# Altium PCB 10515.0500_Display_System（6拼版）_V1.0_20200907.PcbDoc (part 13 of 13)
Units mm, origin at the board's own origin, x right, y up, seen from the top; angles counter-clockwise.
Board outline 157 x 228.4 mm, 4 copper layers (Top Layer, Mid-Layer 1, Mid-Layer 2, Bottom Layer); 516 components, 0 nets, 1971 pads, 894 vias.
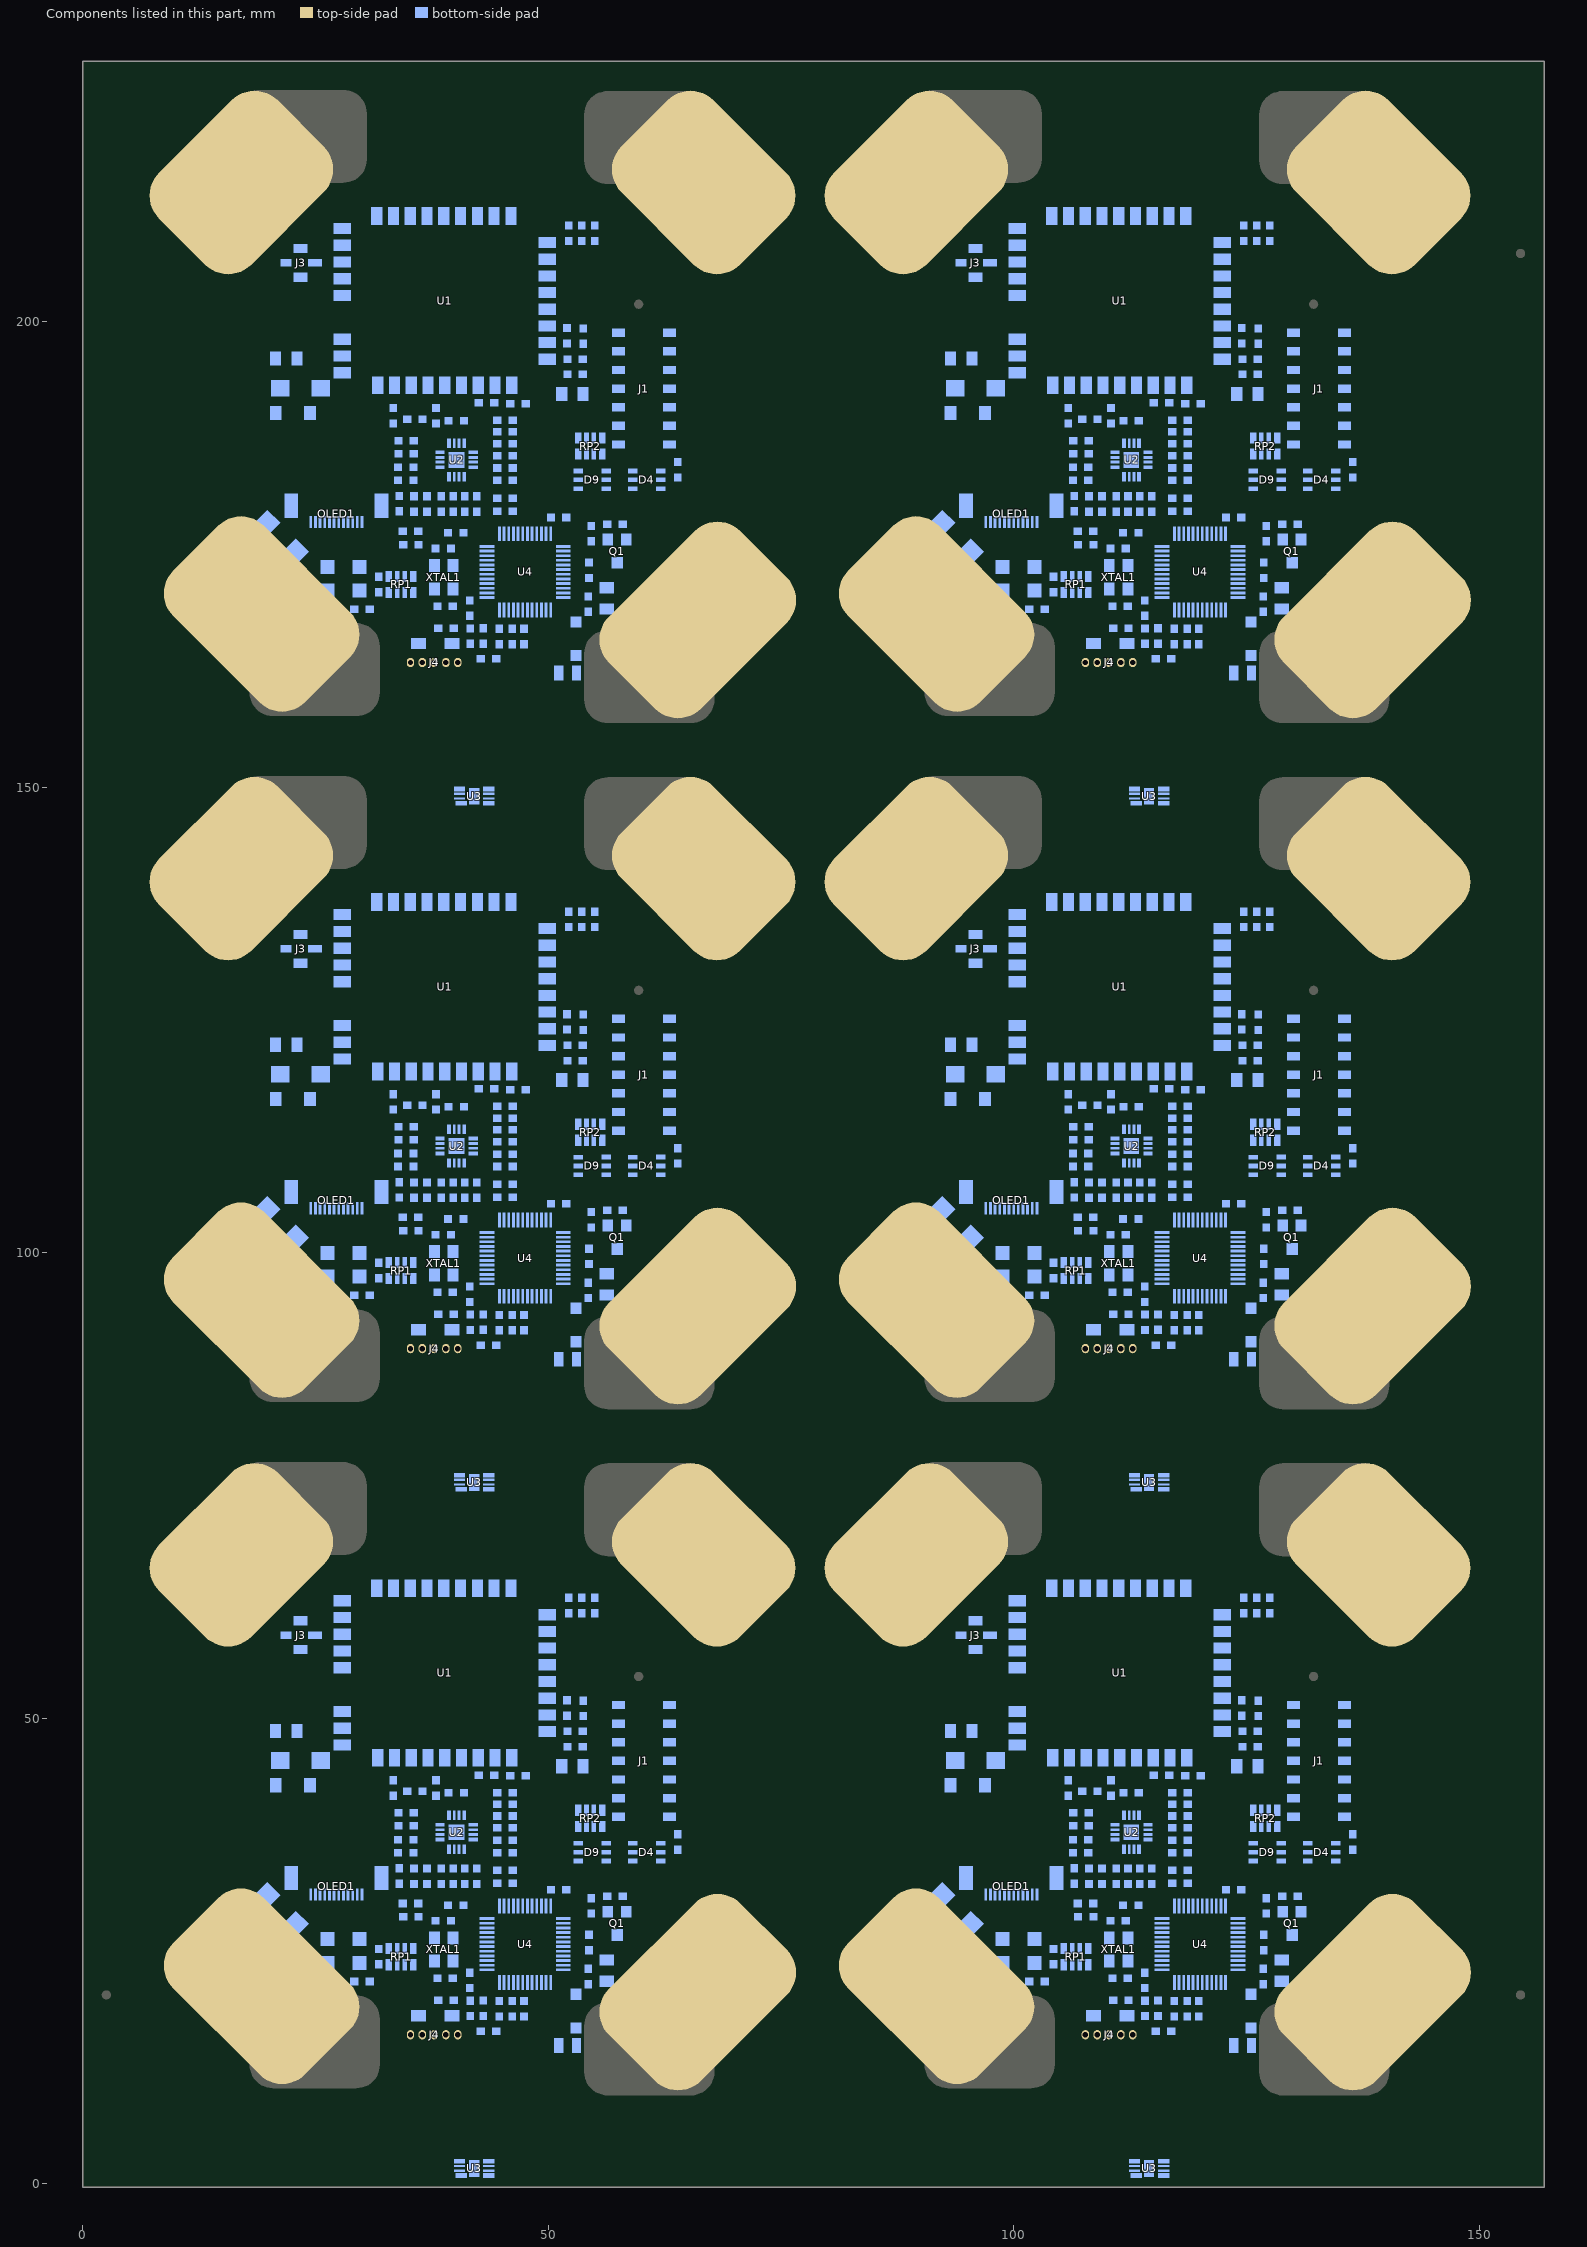
[diagram p15: the components of this part, seen from the top]

## Other copper
Mid-Layer 1:
  pour cut-out: 49.312,189.945 53.249,189.945 54.9,188.294 54.9,177.245 55.408,176.737 55.408,172.292 55.027,171.911 51.979,171.911 51.725,172.165 51.725,179.888 51.193,180.42 48.296,180.42 48.169,180.547 48.169,188.802
  pour cut-out: 49.312,116.245 53.249,116.245 54.9,114.594 54.9,103.545 55.408,103.037 55.408,98.592 55.027,98.211 51.979,98.211 51.725,98.465 51.725,106.188 51.193,106.72 48.296,106.72 48.169,106.847 48.169,115.102
  pour cut-out: 49.312,42.545 53.249,42.545 54.9,40.894 54.9,29.845 55.408,29.337 55.408,24.892 55.027,24.511 51.979,24.511 51.725,24.765 51.725,32.488 51.193,33.02 48.296,33.02 48.169,33.147 48.169,41.402
  pour cut-out: 121.812,189.945 125.749,189.945 127.4,188.294 127.4,177.245 127.908,176.737 127.908,172.292 127.527,171.911 124.479,171.911 124.225,172.165 124.225,179.888 123.693,180.42 120.796,180.42 120.669,180.547 120.669,188.802
  pour cut-out: 121.812,116.245 125.749,116.245 127.4,114.594 127.4,103.545 127.908,103.037 127.908,98.592 127.527,98.211 124.479,98.211 124.225,98.465 124.225,106.188 123.693,106.72 120.796,106.72 120.669,106.847 120.669,115.102
  pour cut-out: 121.812,42.545 125.749,42.545 127.4,40.894 127.4,29.845 127.908,29.337 127.908,24.892 127.527,24.511 124.479,24.511 124.225,24.765 124.225,32.488 123.693,33.02 120.796,33.02 120.669,33.147 120.669,41.402

## Silkscreen, mask and mechanical layers (free items; w line width, h text height)
Top Overlay:
  lines w0.127: 7.142,68.425 7.142,55.061 16.8,55.061 ; 7.142,142.125 7.142,128.761 16.8,128.761 ; 7.142,215.825 7.142,202.461 16.8,202.461 ; 7.2,68.463 7.2,55.099 18.5,55.099 18.5,58.832 ; 7.2,142.163 7.2,128.799 18.5,128.799 18.5,132.532 ; 7.2,215.863 7.2,202.499 18.5,202.499 18.5,206.232 ; 15.276,65.786 16.292,65.786 ; 15.276,139.486 16.292,139.486 ; 15.276,213.186 16.292,213.186 ; 31.492,68.111 31.492,79.411 ; 31.492,141.811 31.492,153.111 ; 31.492,215.511 31.492,226.811 ; 52.95,68.149 56.684,68.149 66,58.832 ; 52.95,141.849 56.684,141.849 66,132.532 ; 52.95,215.549 56.684,215.549 66,206.232 ; 79.642,68.425 79.642,55.061 89.3,55.061 ; 79.642,142.125 79.642,128.761 89.3,128.761 ; 79.642,215.825 79.642,202.461 89.3,202.461 ; 79.7,68.463 79.7,55.099 91,55.099 91,58.832 ; 79.7,142.163 79.7,128.799 91,128.799 91,132.532 ; 79.7,215.863 79.7,202.499 91,202.499 91,206.232 ; 87.776,65.786 88.792,65.786 ; 87.776,139.486 88.792,139.486 ; 87.776,213.186 88.792,213.186 ; 103.992,68.111 103.992,79.411 ; 103.992,141.811 103.992,153.111 ; 103.992,215.511 103.992,226.811 ; 125.45,68.149 129.184,68.149 138.5,58.832 ; 125.45,141.849 129.184,141.849 138.5,132.532 ; 125.45,215.549 129.184,215.549 138.5,206.232
Bottom Overlay:
  circle w0.127: c40.422,147.527 r0.127
  circle w0.127: c40.422,73.827 r0.127
  circle w0.127: c40.422,0.127 r0.127
  circle w0.127: c112.922,147.527 r0.127
  circle w0.127: c112.922,73.827 r0.127
  circle w0.127: c112.922,0.127 r0.127
  rectangle: 30.389,195.025 47.28,208.487
  rectangle: 30.389,121.325 47.28,134.787
  rectangle: 30.389,47.625 47.28,61.087
  rectangle: 102.889,195.025 119.78,208.487
  rectangle: 102.889,121.325 119.78,134.787
  rectangle: 102.889,47.625 119.78,61.087
  text "10515.0500_显示板V1.0" at 30.643,158.322 h1.5
  text "10515.0500_显示板V1.0" at 103.143,158.322 h1.5
  text "20200905H1.2Sn" at 29.627,156.544 h1.5
  text "20200905H1.2Sn" at 102.127,156.544 h1.5
  text "10515.0500_显示板V1.0" at 30.643,84.622 h1.5
  text "10515.0500_显示板V1.0" at 103.143,84.622 h1.5
  text "20200905H1.2Sn" at 29.627,82.844 h1.5
  text "20200905H1.2Sn" at 102.127,82.844 h1.5
  text "10515.0500_显示板V1.0" at 30.643,10.922 h1.5
  text "10515.0500_显示板V1.0" at 103.143,10.922 h1.5
  text "20200905H1.2Sn" at 29.627,9.144 h1.5
  text "20200905H1.2Sn" at 102.127,9.144 h1.5